# KiCad board 8851_HW-U1-VCU118_REV2-0_071417.kicad_pcb (continued)
## Routing (per net, layer and track width the routed paths; a pad name or vN(x,y) marks a point on that pad's centre or on a via; arc(x,y) is an arc through that point) (continued)
DDR4_C1_CK_C: length 152.8
  TOP w0.142: v1(72.79,96.29) 72.4,95.9 72.4,93.52 72.85,93.07 73.2,93.07 73.22,93.05 ; v2(97.67,54.96) 98.17,55.46
  TOP w0.185: 73.22,93.05 73.22,93.05 80.22,93.05 80.53,92.73 81.01,92.73 R566.1
  20_SIG7 w0.1: 72.65,61.8 72.65,61.78 72.66,61.77 72.66,59.53 72.91,59.28 74.13,59.28 74.28,59.13 74.28,58.81 74.06,58.58 72.88,58.58 72.63,58.33 72.63,56.21 72.62,56.2 72.62,56.17 ; 72.55,75.67 72.55,75.03 72.76,74.82 72.98,74.82 73.08,74.72 73.08,74.42 72.98,74.32 72.76,74.32 72.53,74.08 72.53,70.05 ; 72.7,83.92 72.7,83.95 72.71,83.96 72.71,86.58 72.98,86.84 73.29,86.84 73.43,86.98 73.43,87.24 73.29,87.38 72.98,87.38 72.71,87.65 72.71,88.48 72.53,88.66 72.53,89.55 ; 72.5,42.3 72.5,43.94 72.36,44.07 72.25,44.07 71.97,44.36 71.97,44.81 72.27,45.1 72.36,45.1 72.5,45.23 72.5,45.5 72.36,45.64 71.19,45.64 70.87,45.96 70.87,46.39 71.14,46.66 72.36,46.66 72.5,46.8 72.5,47.92
  20_SIG7 w0.105: 72.59,48.02 72.5,47.92 ; 92.9,57.27 92.93,57.27 92.98,57.32 97.85,57.32 98.07,57.1 98.07,55.07 97.96,54.96 v2(97.67,54.96) ; 72.57,75.69 72.55,75.67
  20_SIG7 w0.106: 72.57,75.69 72.55,80.5 72.42,80.62 72.42,82.05 v1(72.79,82.41) 72.42,82.79 72.42,83.43 72.7,83.71 72.7,83.92 ; 72.53,70.05 72.53,69.83 72.4,69.7 72.4,68.93 v1(72.79,68.54) 72.42,68.17 72.42,66.64 72.63,66.43 72.63,65.48 72.38,65.23 72.38,64.83 72.65,64.56 72.65,61.8 ; 80.9,39.02 80.88,39 80.84,39 80.09,38.24 72.65,38.24 72.41,38.49 72.41,40.4 v1(72.79,40.79) 72.4,41.18 72.4,42.13 72.5,42.23 72.5,42.3 ; 72.59,48.02 72.59,52.69 72.4,52.89 72.4,54.27 v1(72.79,54.66) 72.42,55.03 72.42,55.78 72.62,55.97 72.62,56.17 ; v1(72.79,96.29) 72.39,95.89 72.39,94.47 72.55,94.31 72.55,89.57 72.53,89.55
  20_SIG7 w0.138: 92.9,57.27 92.5,57.27 91.92,57.85 91.92,60.64 91.72,60.84 84.96,60.84 84.29,61.52 82.81,61.52 82.45,61.17 82.45,46.82 81.77,46.14 73.94,46.14 73.77,45.97 73.77,44.17 73.9,44.04 81.15,44.04 81.85,43.34 81.85,39.97 80.9,39.02
  BOTTOM w0.142: 72.4,95.9 v1(72.79,96.29) ; v1(72.79,54.66) 72.4,54.27 ; v1(72.79,68.54) 72.4,68.15 ; v1(72.79,82.41) 72.4,82.02 ; v1(72.79,40.79) 72.4,40.4
DDR4_C1_CK_T: length 151
  TOP w0.142: 73.22,93.35 73.2,93.33 72.95,93.33 72.65,93.62 72.65,94.58 v1(72.79,94.71) ; v2(98.66,54.96) 99.15,55.46
  TOP w0.185: R565.1 80.97,93.03 80.66,93.03 80.34,93.35 76.5,93.35 76.32,93.53 76.32,93.89 76.13,94.08 75.76,94.08 75.58,93.89 75.58,93.53 75.39,93.35 75.02,93.35 74.84,93.53 74.84,93.89 74.65,94.08 74.28,94.08 74.1,93.89 74.1,93.53 73.91,93.35 73.22,93.35
  20_SIG7 w0.1: 72.94,83.92 72.94,83.95 72.93,83.96 72.93,86.48 73.07,86.62 73.39,86.62 73.65,86.88 73.65,87.34 73.39,87.6 73.07,87.6 72.93,87.74 72.93,88.57 72.75,88.75 72.75,89.51 72.79,89.55 72.79,89.55 ; 72.86,56.17 72.86,56.2 72.85,56.21 72.85,58.23 72.98,58.36 74.16,58.36 74.51,58.71 74.51,59.22 74.23,59.5 73,59.5 72.88,59.62 72.88,61.77 72.89,61.78 72.89,61.8 ; 72.72,42.3 72.72,44.03 72.46,44.3 72.35,44.3 72.2,44.45 72.2,44.71 72.36,44.88 72.46,44.88 72.72,45.14 72.72,45.6 72.46,45.86 71.29,45.86 71.09,46.05 71.09,46.3 71.23,46.44 72.46,46.44 72.72,46.7 72.72,47.87 72.78,47.92 ; 72.81,75.67 72.81,75.64 72.77,75.6 72.77,75.12 72.85,75.04 73.07,75.04 73.3,74.81 73.3,74.32 73.07,74.09 72.85,74.09 72.75,73.99 72.75,70.05
  20_SIG7 w0.105: 92.9,57.57 92.93,57.57 92.98,57.52 97.93,57.52 98.27,57.18 98.27,55.07 98.37,54.96 v2(98.66,54.96) ; 72.84,48.02 72.84,47.98 72.78,47.92
  20_SIG7 w0.106: 72.81,75.67 72.81,75.71 v1(72.79,80.84) 73.06,80.84 73.17,80.94 73.17,83.5 72.94,83.73 72.94,83.92 ; 72.72,42.3 72.72,42.24 73.17,41.79 73.17,39.46 72.92,39.21 v1(72.79,39.21) 72.65,39.07 72.65,38.59 72.75,38.49 79.99,38.49 80.67,39.17 80.67,39.21 80.69,39.23 ; 72.86,56.17 72.86,56 73.17,55.7 73.17,53.33 72.92,53.09 v1(72.79,53.09) 72.79,52.84 72.84,52.79 72.84,48.02 ; 72.75,70.05 72.75,69.99 73.17,69.58 73.17,67.24 72.89,66.96 v1(72.79,66.96) 72.79,66.62 72.88,66.53 72.88,65.48 73.16,65.2 73.16,64.87 72.89,64.6 72.89,61.8 ; 72.79,89.55 v1(72.79,94.71)
  20_SIG7 w0.138: 92.9,57.57 92.63,57.57 92.22,57.97 92.22,60.77 91.85,61.14 85.09,61.14 84.41,61.82 82.68,61.82 82.15,61.29 82.15,46.94 81.65,46.44 73.81,46.44 73.47,46.09 73.47,44.05 73.78,43.74 81.02,43.74 81.55,43.21 81.55,40.09 80.69,39.23
  BOTTOM w0.142: v1(72.79,80.84) 72.4,81.23 ; v1(72.79,53.09) 72.4,53.48 ; v1(72.79,39.21) 72.4,39.61 ; v1(72.79,66.96) 72.4,67.36 ; 72.4,95.11 v1(72.79,94.71)
DDR4_C1_CKE: length 141.3
  TOP w0.15: 94.23,51.52 v2(93.74,51.03)
  TOP w0.275: 65.07,99.72 65.1,99.7 65.1,97.1 v3(65.25,96.95)
  14_SIG4 w0.087: 66.5,89.58 66.88,89.2 70.97,89.2 71.61,89.84 71.61,90.39 v1(72,90.78)
  14_SIG4 w0.155: v3(65.25,96.95) 66.17,96.02 66.17,89.9 66.5,89.58
  18_SIG6 w0.087: v1(72,90.78) 72.62,90.16 72.62,85.3 71.61,84.3 71.61,78.31 71.84,78.08 72.17,78.08 72.4,77.85 72.4,77.29 v1(72,76.9) 72.4,76.51 72.4,75.17 71.98,74.75 71.98,69.88 71.61,69.51 71.61,64.44 71.84,64.21 72.17,64.21 72.4,63.98 72.4,63.42 v1(72,63.03) 72.21,63.03 72.7,62.53 72.7,61.71 73.92,60.49 73.92,57.02 73.39,56.49 72.15,56.49 71.61,55.95 71.61,50.56 71.84,50.33 72.17,50.33 72.4,50.1 72.4,49.54 v1(72,49.15) 72.4,48.76 72.4,47.63 72.68,47.35 73.32,47.35 74.54,46.13 74.54,44.15 73.33,42.93 72.66,42.93 71.61,41.88 71.61,35.67 v1(72,35.28) 72.4,34.88 72.4,34.49 72.83,34.05 ; v2(93.74,51.03) 92.9,50.19
  18_SIG6 w0.155: 72.83,34.05 73.31,33.58 81.25,33.58 83.51,35.84 83.51,40.8 85.56,42.85 85.96,42.85 88.85,39.96 89.33,39.96 89.74,40.36 89.74,40.69 86.78,43.66 86.78,44.07 87.18,44.47 87.59,44.47 89.89,42.17 90.29,42.17 90.7,42.58 90.7,42.99 87.07,46.62 87.07,47.03 87.38,47.33 87.98,47.33 90.36,44.96 90.76,44.96 91.17,45.36 91.17,45.77 90.03,46.91 90.03,47.32 92.9,50.19
  BOTTOM w0.15: v1(72,76.9) 72.4,77.3 ; v1(72,63.03) 72.4,63.42 ; 72.4,35.67 v1(72,35.28) ; v1(72,90.78) 72.4,91.17 ; v1(72,49.15) 72.4,49.55
DDR4_C1_CS_B: length 135.8
  TOP w0.15: v2(98.66,53.98) 99.15,54.47
  TOP w0.275: v3(69.05,98.78) 69.13,98.85 69.13,99.75
  07_SIG3 w0.17: v1(72,94.71) 71.61,94.32 71.61,88.91 71.11,88.41 71.11,87.08 72.24,85.95 72.24,84.9 71.61,84.27 71.61,81.23 v1(72,80.84) 71.61,80.45 71.61,75.78 70.67,74.85 70.67,70.53 71.61,69.59 71.61,67.36 v1(72,66.96) 73.18,65.78 73.18,61.91 73.59,61.5 73.97,61.5 75.07,60.4 75.07,57.1 74.4,56.42 72.9,56.42 72.4,55.92 72.4,53.48 v1(72,53.09) 71.61,52.7 71.61,46.16 71.79,45.98 71.79,45.6 71.7,45.5 71.38,45.5 71.28,45.4 71.28,45.14 71.37,45.04 71.69,45.04 71.79,44.94 71.79,43.15 71.61,42.96 71.61,39.61 v1(72,39.21)
  14_SIG4 w0.087: 68.81,97.8 69.25,97.37 69.25,95.34 69.49,95.11 71.61,95.11 v1(72,94.71)
  14_SIG4 w0.155: v3(69.05,98.78) 68.81,98.54 68.81,97.8
  16_SIG5 w0.087: v1(72,39.21) 72.4,39.61 72.4,41.88 72.54,42.02 73.66,42.02 73.83,42.19 73.83,43.54 73.66,43.71 72.98,43.71 72.81,43.88 72.81,44.22 72.98,44.39 73.66,44.39 73.83,44.56 73.83,44.9 73.66,45.07 72.98,45.07 72.81,45.24 72.81,45.58 72.98,45.75 73.66,45.75 73.83,45.92 73.83,46.26 73.66,46.43 72.98,46.43 72.81,46.6 72.81,46.94 72.98,47.11 73.66,47.11 73.83,47.28 73.83,47.5 74,47.67 74.34,47.67 74.51,47.5 74.51,42.19 74.68,42.02 78.55,42.02 78.7,41.87 78.7,39.05 78.93,38.82 80.04,38.82 80.04,38.82 80.3,38.82 80.38,38.91 ; 92.9,55.71 93.25,56.05 93.25,56.15 93.53,56.44 95.93,56.44 96.2,56.17 96.2,55.74 96.49,55.46 96.92,55.46 97.18,55.19 97.18,54.76 97.47,54.47 97.9,54.47 98.39,53.98 v2(98.66,53.98)
  16_SIG5 w0.155: 92.9,55.71 92.26,55.07 92.26,47.49 86.53,41.75 85.97,41.19 81.74,41.19 81.15,40.6 81.15,39.67 80.38,38.91
  BOTTOM w0.15: 71.61,67.36 v1(72,66.96) ; 71.61,53.48 v1(72,53.09) ; 71.61,81.23 v1(72,80.84) ; 71.61,39.61 v1(72,39.21) ; 71.61,95.11 v1(72,94.71)
  vias: v1(72,95.5) v1(72,81.63) v1(72,67.75) v1(72,53.88) v1(72,40)
DDR4_C1_DM0: length 44.1
  TOP w0.15: v2(99.64,52.01) 100.13,52.5
  14_SIG4 w0.087: v2(99.64,52.01) 99.15,52.5 97.47,52.5 97.18,52.79 97.18,53.2 96.89,53.49 95.5,53.49 95.21,53.2 95.21,52.79 95.24,52.77 94.98,52.5 92.9,52.5 ; 77.13,42.3 77.13,39.61 v1(76.73,39.21)
  14_SIG4 w0.138: 77.13,42.3 77.13,43.46 78.15,44.49 81.45,44.49 82.46,45.51 82.73,45.51 83.6,44.63 83.87,44.63 84.13,44.9 84.13,45.16 83.26,46.04 83.26,46.3 83.48,46.53 84.88,46.53 85.44,47.09 85.64,47.09 85.93,46.8 86.12,46.8 86.31,47 86.31,47.19 86.03,47.48 86.03,47.67 86.22,47.87 86.41,47.87 86.7,47.58 86.9,47.58 87.09,47.77 87.09,47.97 86.8,48.26 86.8,48.45 87,48.65 87.19,48.65 87.48,48.36 87.68,48.36 87.87,48.55 87.87,48.75 87.58,49.04 87.58,49.23 87.78,49.42 87.97,49.42 88.26,49.14 88.45,49.14 88.65,49.33 88.65,49.52 88.36,49.81 88.36,50.01 88.55,50.2 88.75,50.2 89.04,49.91 89.23,49.91 89.43,50.11 89.43,50.3 89.14,50.59 89.14,50.79 89.33,50.98 89.53,50.98 89.81,50.69 90.01,50.69 90.2,50.89 90.2,51.08 89.92,51.37 89.92,51.56 90.11,51.76 90.3,51.76 90.59,51.47 90.79,51.47 90.98,51.66 90.98,51.86 90.69,52.15 90.69,52.34 90.85,52.5 91.54,52.5 91.73,52.69 91.73,52.8 91.92,52.99 92.29,52.99 92.48,52.8 92.48,52.69 92.67,52.5 92.9,52.5
  BOTTOM w0.15: 76.34,39.61 v1(76.73,39.21)
DDR4_C1_DM1: length 54
  TOP w0.15: 108.01,59.39 v2(107.52,58.9)
  07_SIG3 w0.17: 95.74,41.51 95.89,41.66 96.94,41.66 97.18,41.89 97.18,43.36 97.47,43.64 97.88,43.64 98.17,43.93 98.17,44.34 98.45,44.63 98.86,44.63 99.15,44.92 99.15,45.32 99.44,45.61 99.85,45.61 100.13,45.9 100.13,46.31 100.42,46.6 100.83,46.6 101.12,46.89 101.12,47.29 101.41,47.58 101.81,47.58 102.1,47.87 102.1,48.28 102.39,48.57 102.8,48.57 103.09,48.85 103.09,49.26 103.38,49.55 103.78,49.55 104.07,49.84 104.07,50.25 104.36,50.53 104.77,50.53 105.06,50.82 105.06,51.23 105.34,51.52 105.75,51.52 106.04,51.81 106.04,52.21 106.33,52.5 106.74,52.5 107.02,52.79 107.02,53.2 107.31,53.49 107.72,53.49 108.01,53.78 108.01,58.05 107.52,58.55 v2(107.52,58.9) ; v1(76.73,35.28) 77.12,35.67 77.12,36.23 77.35,36.46 78.47,36.46 78.7,36.69 78.7,37.23 78.35,37.57 78.35,38.05 78.51,38.21 79.09,38.21 79.21,38.08 79.21,37.47 79.34,37.34 79.62,37.34 79.75,37.47 79.75,37.73 79.87,37.86 80.13,37.86 80.25,37.73 80.25,37.41 80.31,37.34 80.72,37.34 80.83,37.46 80.83,37.71 80.9,37.78
  07_SIG3 w0.258: 80.9,37.78 80.98,37.86 81.4,37.86 81.54,37.72 81.54,37.56 81.68,37.42 81.95,37.42 82.09,37.56 82.09,37.72 82.23,37.86 82.5,37.86 82.64,37.72 82.64,37.56 82.78,37.42 83.05,37.42 83.19,37.56 83.19,37.72 83.33,37.86 84.16,37.86 84.49,38.19 92.43,38.19 95.74,41.51
  BOTTOM w0.15: 76.34,35.67 v1(76.73,35.28)
  BOTTOM w0.375: 75.55,35.67 v1(75.94,35.28)
DDR4_C1_DM2: length 51.8
  TOP w0.15: v2(102.6,57.92) 103.09,58.41
  TOP w0.375: U1.K17 v2(109.49,78.59)
  03_SIG1 w0.17: 80.33,66.25 80.1,66.47 79.45,66.47 79.3,66.32 79.3,66.19 79.15,66.04 78.94,66.04 78.79,66.19 78.79,66.38 78.64,66.53 78.43,66.53 78.28,66.38 78.28,66.19 78.13,66.04 77.92,66.04 77.77,66.19 77.77,66.32 77.62,66.47 76.87,66.47 76.73,66.61 v1(76.73,66.96) ; 92.9,56.44 100.83,56.44 101.12,56.73 101.12,57.25 101.3,57.42 101.81,57.42 102.11,57.72 102.11,58.02 101.9,58.23 101.9,58.45 102.05,58.6 102.27,58.6 102.39,58.48 102.61,58.48 102.71,58.38 102.71,58.03 v2(102.6,57.92)
  03_SIG1 w0.258: 92.9,56.44 92.71,56.63 92.71,57.31 92.53,57.5 92.27,57.5 92.08,57.31 92.08,56.46 91.97,56.35 90.94,56.35 90.69,56.6 90.69,56.86 91.78,57.96 91.78,58.22 91.6,58.4 91.34,58.4 90.24,57.31 89.98,57.31 89.79,57.49 89.79,57.75 90.89,58.85 90.89,59.11 90.7,59.3 90.44,59.3 89.34,58.2 89.08,58.2 88.9,58.39 88.9,58.65 89.99,59.75 89.99,60.01 89.81,60.19 89.55,60.19 88.45,59.1 88.19,59.1 83.86,63.43 83.15,63.43 82.97,63.25 82.97,62.7 82.87,62.6 82.4,62.6 82.16,62.83 82.16,63.96 82.3,64.09 82.58,64.09 82.72,64.24 82.72,64.52 82.6,64.64 82.31,64.64 82.18,64.77 82.18,65.27 81.96,65.49 81.64,65.49 81.57,65.42 81.14,65.42 80.81,65.74 80.81,66.14 80.7,66.25 80.33,66.25
  BOTTOM w0.15: 76.34,67.36 v1(76.73,66.96)
DDR4_C1_DM3: length 40.3
  TOP w0.15: v2(99.64,58.9) 100.13,59.39
  07_SIG3 w0.17: v1(76.73,63.03) 76.34,63.42 76.34,69.5 76.59,69.75 78.37,69.75 78.66,70.05 ; v2(99.64,58.9) 99.64,59.19 99.15,59.68 99.15,61.07 98.86,61.36 98.43,61.36 98.17,61.62 98.17,62.08 97.9,62.35 93.33,62.35 92.9,62.78
  07_SIG3 w0.258: 92.9,62.78 92.33,63.35 90.05,63.35 89.5,63.9 89.5,65.53 87.95,67.08 86.16,67.08 85.99,67.25 85.99,68.52 84.84,69.67 83.85,69.67 83.17,70.34 82.05,70.34 81.71,70.68 81.37,70.68 81.04,71.01 79.63,71.01 78.66,70.05
  BOTTOM w0.15: 76.34,63.42 v1(76.73,63.03)
  BOTTOM w0.375: 75.55,63.42 v1(75.94,63.03)
DDR4_C1_DM4: length 57.7
  TOP w0.15: 95.21,59.39 v2(94.72,58.9)
  05_SIG2 w0.17: v2(94.72,58.9) 94.4,58.9 94.23,59.07 94.23,60.09 93.98,60.33 93.22,60.33 93.05,60.5 93.05,61.09 92.9,61.24 ; v1(76.73,94.71) 76.73,94.27 76.9,94.1 80.1,94.1 80.33,93.88
  05_SIG2 w0.258: 92.9,61.24 92.86,61.28 92.61,61.28 92.44,61.11 92.26,61.11 92.05,61.32 92.05,61.62 92.84,62.41 92.84,62.63 92.61,62.86 92.41,62.86 91.56,62.01 91.37,62.01 91.17,62.21 91.17,62.4 92.02,63.25 92.02,63.45 91.83,63.64 91.63,63.64 90.78,62.79 90.59,62.79 90.4,62.98 90.4,63.18 91.24,64.02 91.24,64.22 91.05,64.4 90.85,64.4 90.27,63.83 90.06,63.83 89.9,63.99 89.9,64.23 90.47,64.8 90.47,65.08 87.99,67.56 84.88,67.56 84.6,67.84 84.6,86.41 84.34,86.66 83.84,86.66 82.92,87.58 82.54,87.58 82.21,87.92 82.21,89.49 81.45,90.25 81.45,92.75 80.33,93.88
  BOTTOM w0.15: 76.34,95.11 v1(76.73,94.71)
DDR4_C1_DM5: length 76.6
  TOP w0.15: 107.02,61.36 v2(106.53,60.87)
  03_SIG1 w0.17: 70.55,89.55 70.82,89.82 70.82,90.15 71.05,90.38 71.33,90.38 71.33,90.38 71.38,90.38 71.61,90.62 71.61,90.94 71.84,91.17 76.34,91.17 v1(76.73,90.78) ; 92.9,75.14 93.94,75.14 94.23,74.85 94.23,74.44 94.52,74.16 94.93,74.16 95.21,73.87 95.21,73.46 95.5,73.17 95.91,73.17 96.2,72.88 96.2,72.48 96.49,72.19 96.89,72.19 97.18,71.9 97.18,71.49 97.47,71.2 97.88,71.2 98.17,70.92 98.17,70.51 98.45,70.22 98.86,70.22 99.15,69.93 99.15,68.54 99.44,68.25 99.85,68.25 100.13,67.96 100.13,67.56 100.42,67.27 100.83,67.27 101.12,66.98 101.12,66.57 101.41,66.28 101.81,66.28 102.1,65.99 102.1,63.62 102.39,63.33 102.8,63.33 103.09,63.04 103.09,62.63 103.38,62.35 103.78,62.35 104.07,62.06 104.07,61.65 104.36,61.36 106.04,61.36 v2(106.53,60.87)
  03_SIG1 w0.258: 92.9,75.14 92.32,75.14 84.59,82.88 81.49,82.88 80.72,83.64 67.23,83.64 66.53,84.35 66.53,85.61 66.66,85.75 67.21,85.75 67.35,85.88 67.35,86.16 67.21,86.3 66.66,86.3 66.53,86.43 66.53,86.71 66.66,86.85 67.21,86.85 67.35,86.98 67.35,87.26 67.21,87.4 66.66,87.4 66.53,87.53 66.53,87.81 66.66,87.95 67.21,87.95 67.35,88.08 67.35,88.36 67.21,88.5 66.44,88.5 66.38,88.56 66.38,89.06 66.46,89.15 69.92,89.15 70.2,89.42 70.42,89.42 70.55,89.55
  BOTTOM w0.15: 76.34,91.17 v1(76.73,90.78)
  BOTTOM w0.375: 75.55,91.17 v1(75.94,90.78)
DDR4_C1_DM6: length 56.6
  TOP w0.15: 104.07,64.31 v2(103.58,63.82)
  07_SIG3 w0.17: 92.9,70.22 94.01,70.22 94.23,70 94.23,69.48 94.05,69.3 93.47,69.3 93.22,69.05 93.22,68.5 93.47,68.25 94.03,68.25 94.2,68.42 94.2,68.9 94.54,69.24 95.07,69.24 95.21,69.09 95.21,68.44 95.4,68.25 97.01,68.25 97.18,68.08 97.18,67.43 97.35,67.27 98.04,67.27 98.17,67.14 98.17,66.48 98.36,66.28 99.85,66.28 100.13,65.99 100.13,65.59 100.42,65.3 102.9,65.3 103.47,64.72 103.47,63.93 v2(103.58,63.82) ; 80.33,80.38 80.15,80.2 80.15,79.69 80.05,79.59 79.81,79.59 79.73,79.67 79.73,80.27 79.62,80.38 79.45,80.38 79.35,80.28 79.35,79.67 79.23,79.55 79.07,79.55 78.97,79.65 78.97,80.26 78.86,80.36 78.7,80.36 78.59,80.26 78.59,79.66 78.49,79.56 78.34,79.56 78.22,79.67 78.22,80.28 78.12,80.38 77.96,80.38 77.85,80.27 77.85,79.67 77.76,79.58 77.58,79.58 77.48,79.67 77.48,80.28 77.38,80.38 77.08,80.38 76.67,79.97 76.14,79.97 76,80.12 76,80.31 76.12,80.43 76.6,80.43 76.73,80.56 v1(76.73,80.84)
  07_SIG3 w0.258: 92.9,70.22 92.69,70.22 92.57,70.34 92.57,70.5 92.76,70.69 92.76,70.89 92.57,71.08 92.37,71.08 92.09,70.8 91.9,70.8 91.7,71 91.7,71.19 91.97,71.46 91.97,71.66 91.78,71.85 91.58,71.85 91.31,71.58 91.12,71.58 90.93,71.78 90.93,71.97 91.19,72.23 91.19,72.43 90.99,72.62 90.8,72.62 90.54,72.36 90.34,72.36 90.15,72.55 90.15,72.75 90.41,73.01 90.41,73.2 90.21,73.4 90.02,73.4 89.76,73.14 89.59,73.14 89.37,73.36 89.37,73.53 89.63,73.79 89.63,73.98 89.44,74.18 89.24,74.18 88.98,73.91 88.79,73.91 88.59,74.11 88.59,74.3 88.85,74.56 88.85,74.76 88.66,74.95 88.46,74.95 88.2,74.69 88.01,74.69 87.81,74.89 87.81,75.08 88.08,75.34 88.08,75.54 87.88,75.73 87.69,75.73 87.46,75.51 87.27,75.51 87.07,75.7 87.07,75.9 87.3,76.12 87.3,76.31 87.1,76.51 86.91,76.51 86.57,76.17 85.12,76.17 85,76.3 84.7,76.3 84.13,76.87 83.13,76.87 82.38,77.63 82.38,78.7 81.88,79.2 81.38,79.2 80.65,79.93 80.65,80.2 80.47,80.38 80.33,80.38
  BOTTOM w0.15: 76.34,81.23 v1(76.73,80.84)
DDR4_C1_DM7: length 36.8
  TOP w0.15: v2(99.64,62.84) 100.13,63.33
  03_SIG1 w0.17: 92.9,64.17 93.12,63.95 93.21,63.86 93.21,63.65 93.53,63.33 93.94,63.33 94.92,63.33 95.21,63.04 95.21,62.63 95.5,62.35 95.91,62.35 96.2,62.06 96.2,61.65 96.49,61.36 99.81,61.36 100.09,61.64 100.09,62.39 v2(99.64,62.84) ; v1(76.73,76.9) 76.34,76.51 76.34,75.67
  03_SIG1 w0.258: 76.34,75.67 76.34,73.39 78.59,71.14 80.78,71.14 81.39,71.75 81.87,71.75 82.84,70.77 86.3,70.77 92.9,64.17
  BOTTOM w0.15: 76.34,77.3 v1(76.73,76.9)
  BOTTOM w0.375: 75.55,77.3 v1(75.94,76.9)
DDR4_C1_DM8: length 54.8
  TOP w0.15: v2(97.67,65.79) 98.17,65.3
  16_SIG5 w0.087: 78.7,56.17 78.7,54.4 78.57,54.27 77.36,54.27 77.12,54.04 77.12,53.69 76.82,53.38 76.82,53.18 v1(76.73,53.09) ; v2(97.67,65.79) 96.2,64.31 96.2,63.62 95.91,63.33 95.5,63.33 95.21,63.04 95.21,62.63 94.92,62.35 93.36,62.35 92.9,61.88
  16_SIG5 w0.138: 92.9,61.88 88,56.98 88,51.61 87.78,51.39 85.01,51.39 84.86,51.24 84.86,47.28 84.67,47.1 83.83,47.1 83.58,47.35 83.58,52.78 83.32,53.04 82.54,53.04 82.23,53.35 82.23,53.75 82.44,53.97 83.07,53.97 83.35,54.25 83.35,54.76 83.12,55 82.44,55 82.23,55.21 82.23,56.54 81.9,56.87 81.25,56.87 80.97,56.59 80.97,54.45 80.79,54.26 80.52,54.26 80.38,54.4 80.38,56.71 80.23,56.87 78.95,56.87 78.7,56.62 78.7,56.17
  BOTTOM w0.15: 76.34,53.48 v1(76.73,53.09)
DDR4_C1_DM9: length 37.6
  TOP w0.15: 96.2,50.53 v2(95.71,50.04)
  05_SIG2 w0.17: 92.9,55.16 93.59,54.47 93.94,54.47 94.23,54.18 94.23,53.84 94.59,53.49 94.86,53.49 95.21,53.14 95.21,52.88 95.59,52.5 95.83,52.5 96.2,52.13 96.2,50.53 v2(95.71,50.04) ; 76.1,56.17 75.55,55.63 75.55,51.71 76.34,50.93 76.34,49.55 v1(76.73,49.15)
  05_SIG2 w0.258: 76.1,56.17 80.03,60.11 81.1,60.11 81.45,60.45 83.31,60.45 83.35,60.4 84.36,60.4 84.43,60.48 87.58,60.48 92.9,55.16
  BOTTOM w0.15: 76.34,49.55 v1(76.73,49.15)
  BOTTOM w0.375: 75.55,49.55 v1(75.94,49.15)
DDR4_C1_DQ0: length 41.9
  TOP w0.15: v2(98.66,52.01) 99.15,52.5
  14_SIG4 w0.087: v1(75.15,35.28) 75.55,34.89 80.24,34.89 80.33,34.8 ; v2(98.66,52.01) 99.15,51.52 99.15,50.82 98.86,50.53 97.47,50.53 97.18,50.25 97.18,48.8 96.95,48.56 96.49,48.56 96.2,48.28 96.2,47.87 96.2,47.75 96.03,47.58 95.54,47.58 95.53,47.58 95.5,47.58 95.22,47.29 95.22,47.26 95.21,47.26 95.21,46.89 95.2,46.87 95.2,46.87 94.92,46.6 94.42,46.6 94.23,46.41 94.23,45.78 94.06,45.61 93.43,45.61 92.9,45.08
  14_SIG4 w0.138: 80.33,34.8 80.75,34.37 81,34.37 81.56,34.94 81.56,35.13 81.37,35.32 81.37,35.52 81.66,35.81 81.86,35.81 82.05,35.62 82.24,35.62 85.18,38.55 87.28,38.55 87.45,38.72 87.45,38.99 86.68,39.76 86.68,40.02 86.95,40.29 87.21,40.29 87.98,39.52 88.25,39.52 88.51,39.78 88.51,40.05 87.74,40.82 87.74,41.08 88.01,41.35 88.28,41.35 89.04,40.58 89.31,40.58 92.64,43.91 92.64,44.83 92.9,45.08
  BOTTOM w0.15: 74.76,35.67 v1(75.15,35.28)
DDR4_C1_DQ1: length 41.6
  TOP w0.15: v2(97.67,52.01) 98.17,52.5
  14_SIG4 w0.087: 92.9,50.87 92.91,50.87 93.12,51.08 93.12,51.33 93.31,51.52 94.96,51.52 95.21,51.78 95.21,52.21 95.5,52.5 96.89,52.5 97.39,52.01 v2(97.67,52.01) ; v1(75.94,39.21) 76.33,38.82 77.68,38.82 77.91,39.06 77.91,42.3
  14_SIG4 w0.138: 77.91,42.3 77.91,43.45 78.25,43.78 78.53,43.78 78.72,43.6 78.72,42.29 78.9,42.11 80.09,42.11 80.22,42.24 80.22,42.78 80.06,42.93 79.61,42.93 79.47,43.07 79.47,43.6 79.65,43.78 81.2,43.78 81.38,43.6 81.38,42.92 81.55,42.76 81.75,42.76 81.89,42.91 81.89,43.31 82.04,43.45 82.31,43.45 82.44,43.32 82.44,42.91 82.59,42.76 83.19,42.76 83.63,43.2 83.63,43.6 83.82,43.78 84.13,43.78 85.14,44.79 85.14,44.97 84.81,45.3 84.81,45.57 85.08,45.83 85.34,45.83 85.59,45.58 85.92,45.58 91.21,50.87 91.47,50.87 91.66,51.06 91.66,51.75 91.85,51.94 92.22,51.94 92.41,51.75 92.41,51.06 92.6,50.87 92.9,50.87
  BOTTOM w0.15: 75.55,39.61 v1(75.94,39.21)
DDR4_C1_DQ2: length 42.2
  TOP w0.15: v2(98.66,51.03) 99.15,51.52
  14_SIG4 w0.087: 80.33,37.52 80.18,37.37 77.34,37.37 77.13,37.16 77.13,36.65 76.94,36.46 74.94,36.46 74.55,36.85 v1(74.37,36.85) ; 92.9,48.57 94.93,48.57 95.21,48.85 95.21,48.88 95.21,49.26 95.5,49.55 95.91,49.55 96.2,49.84 96.2,50.25 96.49,50.53 96.89,50.53 97.18,50.82 97.18,51.23 97.47,51.52 98.17,51.52 v2(98.66,51.03)
  14_SIG4 w0.138: 80.33,37.52 81.23,38.43 83,38.43 88.09,43.52 88.09,44.12 87.7,44.51 87.7,44.89 88.04,45.22 88.26,45.22 88.94,44.54 89.2,44.54 89.47,44.81 89.47,45.07 88.79,45.75 88.79,46.02 89.05,46.28 89.32,46.28 90,45.61 90.26,45.61 90.53,45.87 90.53,46.14 89.85,46.82 89.85,47.08 90.11,47.35 90.38,47.35 91.06,46.67 91.32,46.67 91.59,46.93 91.59,47.2 90.91,47.88 90.91,48.14 91.33,48.57 91.91,48.57 92.04,48.43 92.04,48.06 92.18,47.92 92.59,47.92 92.73,48.06 92.73,48.43 92.87,48.57 92.9,48.57
  BOTTOM w0.15: 73.97,36.46 v1(74.37,36.85)
DDR4_C1_DQ3: length 41.9
  TOP w0.15: v2(98.66,50.04) 99.15,50.53
  14_SIG4 w0.087: 74.45,42.3 73.98,41.82 73.98,39.61 v1(74.37,39.21) ; v2(98.66,50.04) 98.95,50.04 99.44,50.53 99.85,50.53 100.13,50.82 100.13,53.2 99.85,53.49 99.44,53.49 99.15,53.78 99.15,54.11 98.79,54.47 97.53,54.47 97.18,54.82 97.18,55.13 96.86,55.46 95.53,55.46 95.21,55.14 95.21,54.82 94.86,54.47 92.9,54.47
  14_SIG4 w0.138: 74.45,42.3 78.06,45.91 80.85,45.91 83.57,48.62 84.24,48.62 85.11,49.49 85.11,50.16 89.42,54.47 92.9,54.47
  BOTTOM w0.15: 73.97,39.61 v1(74.37,39.21)
DDR4_C1_DQ4: length 42.8
  TOP w0.15: v2(100.63,52.99) 101.12,53.49
  14_SIG4 w0.087: 74.13,34.05 73.98,34.2 73.98,34.89 v1(74.37,35.28) ; 92.9,42.08 94.23,43.41 94.23,44.33 94.23,44.33 94.23,44.34 94.52,44.63 94.53,44.63 94.53,44.63 96.01,44.63 96.2,44.82 96.2,46.31 96.49,46.6 96.8,46.6 96.8,46.6 96.89,46.6 97.18,46.89 97.18,47.29 97.47,47.58 97.99,47.58 98.17,47.76 98.17,48.28 98.46,48.57 98.91,48.57 99.15,48.8 99.15,48.9 99.15,48.9 99.15,49.26 99.44,49.55 99.85,49.55 100.13,49.84 100.13,50.25 100.42,50.53 100.83,50.53 101.12,50.82 101.12,52.48 100.63,52.97 v2(100.63,52.99)
  14_SIG4 w0.138: 74.13,34.05 74.49,33.68 79.32,33.68 80.6,32.4 81.05,32.4 85.55,36.9 87.72,36.9 92.9,42.08
  BOTTOM w0.15: 73.97,35.67 v1(74.37,35.28)
DDR4_C1_DQ5: length 43.5
  TOP w0.15: v2(99.64,52.99) 100.13,53.49
  14_SIG4 w0.087: v1(74.37,40.79) 74.63,40.79 74.76,40.92 74.76,41.74 75.29,42.26 75.29,42.3 ; 92.9,53.7 93.13,53.7 93.34,53.49 94.95,53.49 95.22,53.76 95.22,53.77 95.21,53.78 95.21,54.18 95.5,54.47 96.89,54.47 97.18,54.18 97.18,53.78 97.47,53.49 99.12,53.49 99.62,52.99 v2(99.64,52.99)
  14_SIG4 w0.138: 75.29,42.3 75.4,42.41 75.66,42.41 75.93,42.15 76.19,42.15 76.46,42.41 76.46,42.68 76.19,42.94 76.19,43.21 78.19,45.21 81.15,45.21 83.17,47.23 84.52,47.23 85.14,47.85 85.14,48.1 85.83,48.79 86.18,48.79 86.58,49.19 86.58,49.37 86.09,49.86 86.09,50.13 86.25,50.28 86.45,50.28 86.99,49.74 87.18,49.74 87.38,49.94 87.38,50.13 86.83,50.67 86.83,50.87 87.03,51.06 87.22,51.06 87.77,50.52 87.96,50.52 88.16,50.71 88.16,50.91 87.61,51.45 87.61,51.65 87.81,51.84 88,51.84 88.54,51.3 88.74,51.3 88.93,51.49 88.93,51.69 88.39,52.23 88.39,52.42 88.58,52.62 88.78,52.62 89.32,52.07 89.52,52.07 89.71,52.27 89.71,52.46 89.17,53.01 89.17,53.2 89.66,53.7 92.9,53.7
  BOTTOM w0.15: 73.97,40.4 v1(74.37,40.79)
DDR4_C1_DQ6: length 39.7
  TOP w0.15: v2(97.67,50.04) 98.17,50.53
  14_SIG4 w0.087: v1(73.58,36.85) 73.58,37.17 73.45,37.3 73.28,37.3 73.11,37.13 73.11,35.98 73.42,35.67 74.53,35.67 74.76,35.43 74.76,34.33 74.99,34.1 79.91,34.1 79.96,34.05 ; v2(97.67,50.04) 98.17,49.55 98.17,48.75 97.98,48.56 97.41,48.56 97.18,48.33 97.18,47.78 96.98,47.58 96.49,47.58 96.2,47.29 96.2,46.77 96.03,46.6 95.45,46.6 95.21,46.36 95.21,45.8 95.02,45.61 94.52,45.61 94.23,45.32 94.23,44.91 93.96,44.63 93.94,44.63 93.56,44.63 93.55,44.63 93.53,44.63 93.15,44.25 93.15,43.36 92.9,43.11
  14_SIG4 w0.138: 79.96,34.05 80.62,33.39 81.01,33.39 85.38,37.77 87.56,37.77 92.9,43.11
  BOTTOM w0.15: 73.19,36.46 v1(73.58,36.85)
DDR4_C1_DQ7: length 39.9
  TOP w0.15: 97.18,50.53 v2(96.69,50.04)
  14_SIG4 w0.087: 81,36.46 77.35,36.46 77.12,36.22 77.12,35.9 76.89,35.67 74.99,35.67 74.76,35.9 74.76,36.22 74.53,36.46 74.21,36.46 73.98,36.69 73.98,38.82 v1(73.58,39.21) ; v2(96.69,50.04) 96.69,50.02 96.2,49.52 96.2,49.16 96.2,48.72 96.04,48.56 95.5,48.56 95.22,48.28 95.22,48.27 95.21,48.26 95.21,47.87 95.21,47.87 95.21,47.71 95.08,47.58 93.22,47.58 92.9,47.26
  14_SIG4 w0.138: 92.9,47.26 90.72,45.08 90.72,44.81 91.45,44.08 91.45,43.81 91.18,43.55 90.92,43.55 90.19,44.28 89.92,44.28 89.66,44.01 89.66,43.75 90.39,43.02 90.39,42.75 90.12,42.49 89.86,42.49 89.13,43.22 88.86,43.22 83.13,37.49 82.94,37.49 82.68,37.75 82.48,37.75 82.19,37.46 82.19,37.26 82.45,37 82.45,36.81 82.1,36.46 81,36.46
  BOTTOM w0.15: 73.19,39.61 v1(73.58,39.21)
DDR4_C1_DQ8: length 53
  TOP w0.15: 108.01,60.38 v2(107.52,59.88)
  07_SIG3 w0.17: v2(107.52,59.88) 107.52,59.56 108.02,59.06 108.02,58.67 108.24,58.45 108.63,58.45 108.99,58.09 108.99,53.78 108.7,53.49 108.3,53.49 108.01,53.2 108.01,52.79 107.72,52.5 107.31,52.5 107.02,52.21 107.02,51.81 106.74,51.52 106.33,51.52 106.04,51.23 106.04,50.82 105.75,50.53 105.34,50.53 105.06,50.25 105.06,49.84 104.77,49.55 104.36,49.55 104.07,49.26 104.07,48.85 103.78,48.57 103.38,48.57 103.09,48.28 103.09,47.87 102.8,47.58 102.39,47.58 102.1,47.29 102.1,46.89 101.81,46.6 101.41,46.6 101.12,46.31 101.12,45.9 100.83,45.61 100.42,45.61 100.13,45.32 100.13,44.92 99.85,44.63 99.44,44.63 99.15,44.34 99.15,43.93 98.86,43.64 98.45,43.64 98.17,43.36 98.17,41.88 97.89,41.6 ; v1(79.88,36.85) 80.27,36.46 80.96,36.46 81,36.42